# Altium PCB 2-quilter-output.PcbDoc (part 14 of 26)
Units mil, origin at the board's own origin, x right, y up, seen from the top; angles counter-clockwise.
Board outline 4130.55 x 4250 mil, 8 copper layers (L1, Ground L2, L3, Power L4, Ground L5, L6, Ground L7, L8), stack 62.985 mil thick; 591 components, 494 nets, 2245 pads, 1508 vias.
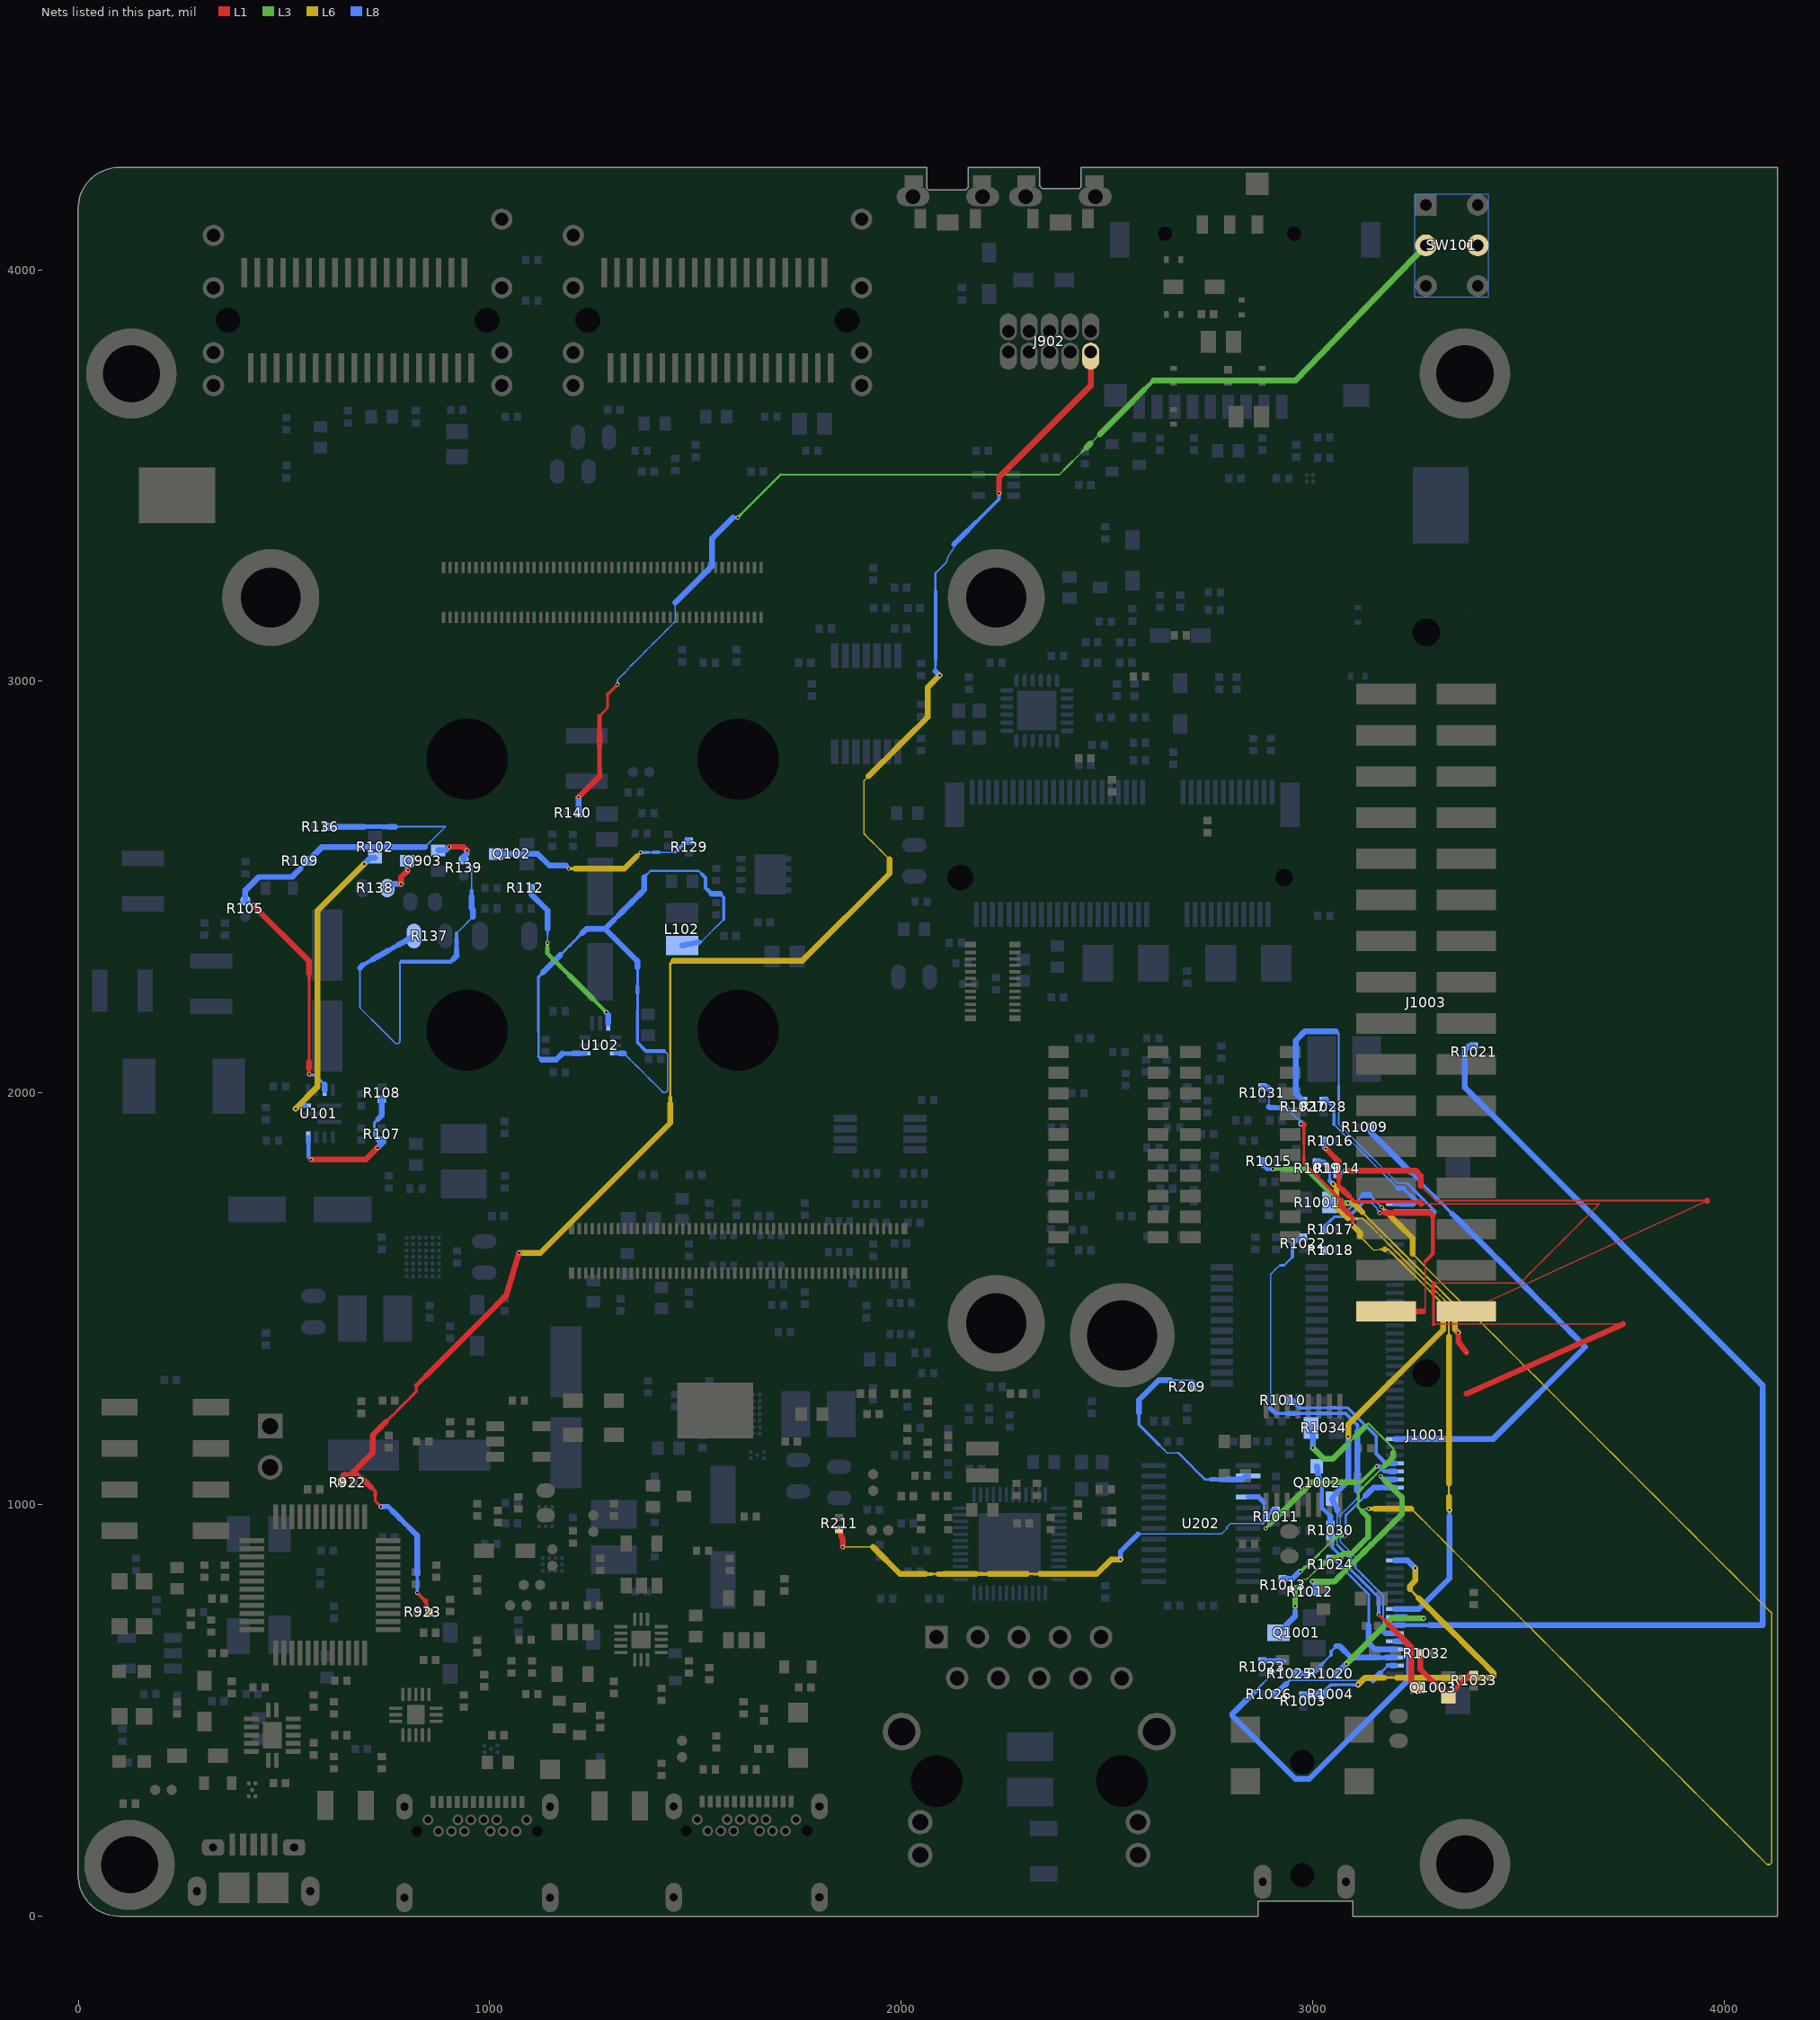
[diagram p20: the nets of this part, all layers, seen from the top]

## Via types
v1: diameter 9.85, hole 5.91, L1 to L8, tented both sides, 1508 vias

## Nets (pads, with @x,y where several pads share a name; then routed paths per layer and width w, separated by ;. In a path a pad name is that pad's centre, name@x,y a point inside that pad or via, vN(x,y) a via of type N, cw(c..) or ccw(c..) an arc to the next point about the centre after c; other vN are vias at no path point) (continued)
NetJ902_9: J902.9 R922.1 R923.1 | length 4193.8
  L1 w6.9: 721.8,1019.97 721.8,1008.28 728.8,1001.28 v1(735.8,994.29) ; 747.85,1200.36 758.41,1210.92 768.97,1221.48 779.53,1232.04 790.09,1242.6 800.65,1253.16 811.2,1263.71 821.76,1274.27 821.76,1288.88
  L1 w7.92: 680.73,1072.74 691,1062.47 ; 711.53,1041.93 721.8,1031.66 721.8,1019.97 ; v1(824.32,784.8) 824.32,784.41 834.51,774.22 843.95,764.78
  L1 w8.94: 843.95,764.77 848.4,749.91 R923.1@852.11,737.56
  L1 w9.96: 656.35,1072.74 664.97,1072.74 ; 664.97,1074.44 664.97,1072.74 ; 680.73,1072.74 664.97,1072.74
  L1 w10.99: 821.76,1288.88 832.69,1299.8 843.61,1310.73
  L1 w12.01: 647.72,1072.74 656.35,1072.74
  L1 w13.03: 737.29,1189.8 747.85,1200.36 ; 843.61,1310.73 854.54,1321.65
  L1 w14.05: R922.1@640.12,1052.99 640.12,1065.13 647.72,1072.74 ; 664.97,1074.44 716.17,1125.65 716.17,1168.68 726.73,1179.24 737.29,1189.8 ; 691,1062.47 701.27,1052.2 711.53,1041.93 ; 854.54,1321.65 865.46,1332.57 876.38,1343.5 887.31,1354.42 898.23,1365.35 909.16,1376.27 920.08,1387.19 931,1398.12 941.93,1409.04 952.85,1419.96 963.78,1430.89 974.7,1441.81 985.62,1452.74 996.55,1463.66 1007.47,1474.58 1018.39,1485.51 1029.32,1496.43 1040.24,1507.36 v1(1071.51,1610.9) ; v1(2238.02,3456.92) 2238.02,3469.35 2238.02,3495.51 2460.96,3718.46 J902.9@2460.96,3790.18
  L6 w3.5: 1909.88,2629.58 1909.88,2643.88 1909.88,2658.17 1909.88,2672.47 1909.88,2686.77 1909.88,2701.07 1909.88,2715.36 1909.88,2729.66 1909.88,2743.96 1909.88,2758.26
  L6 w3.83: 1909.88,2629.58 1920.17,2619.29 1930.47,2608.99 1940.76,2598.7 1951.05,2588.41 1961.35,2578.11 1971.64,2567.82 ; 1909.88,2758.26 1920.95,2769.33
  L6 w5.87: 1438.94,1988.52 1438.94,2003.99 1438.94,2019.47 1438.94,2034.95 1438.94,2050.42 1438.94,2065.9 1438.94,2081.38 1438.94,2096.86 1438.94,2112.33 1438.94,2127.81 1438.94,2143.29 1438.94,2158.76 1438.94,2174.24 1438.94,2189.72 1438.94,2205.2 1438.94,2220.67 1438.94,2236.15 1438.94,2251.63 1438.94,2267.1 1438.94,2282.58 1438.94,2298.06 1438.94,2313.53
  L6 w6.9: 1438.94,2313.53 1446.62,2321.22
  L6 w9.96: 1438.94,1973.04 1438.94,1988.52
  L6 w14.05: v1(1071.51,1610.9) 1123.24,1610.91 1438.94,1926.61 1438.94,1942.09 1438.94,1957.56 1438.94,1973.04 ; 1446.62,2321.22 1760.2,2321.22 1971.72,2532.74 1971.72,2567.74 1971.64,2567.82 ; 1920.95,2769.33 1932.02,2780.4 1943.1,2791.48 1954.17,2802.55 1965.24,2813.62 1976.31,2824.69 1987.39,2835.77 1998.46,2846.84 2009.53,2857.91 2020.6,2868.98 2031.68,2880.06 2042.75,2891.13 2053.82,2902.2 2064.89,2913.27 2064.89,2985.55 v1(2093.58,3014.23)
  L8 w3.5: 2109.97,3288.92 2113.15,3297.87 2116.33,3306.81
  L8 w3.83: 2083.68,3262.63 2092.44,3271.39 2101.21,3280.16 2109.97,3288.92 ; 2116.33,3306.81 2122.3,3315.33 2128.27,3323.85 2128.27,3332.82
  L8 w5.87: 2083.68,3024.13 2083.68,3039.04 ; 2083.68,3217.91 2083.68,3232.82 2083.68,3247.72 2083.68,3262.63
  L8 w6.9: 2083.68,3039.04 2083.68,3053.95
  L8 w7.92: v1(824.32,784.8) 824.32,800.17 824.32,815.54 824.32,830.91 ; 2183.15,3387.69 2194.12,3398.66 2205.1,3409.64 2216.07,3420.61 2227.05,3431.59 2238.02,3442.56 v1(2238.02,3456.92)
  L8 w8.94: 2083.68,3053.95 2083.68,3068.85 2083.68,3083.76 2083.68,3098.66 2083.68,3113.57 2083.68,3128.47 2083.68,3143.38 2083.68,3158.29 2083.68,3173.19 2083.68,3188.1 2083.68,3203 2083.68,3217.91
  L8 w9.96: 2172.17,3376.71 2183.15,3387.69
  L8 w10.99: 2161.2,3365.74 2172.17,3376.71
  L8 w12.01: 744.47,994.29 753.15,994.29 763.32,984.12 ; 783.65,963.79 793.82,953.62 803.99,943.45
  L8 w13.03: v1(735.8,994.29) 744.47,994.29 ; 803.99,943.45 814.15,933.29 ; 2128.27,3332.82 2139.25,3343.79 2150.22,3354.77 2161.2,3365.74
  L8 w14.05: 763.32,984.12 773.49,973.95 783.65,963.79 ; 814.15,933.29 824.32,923.12 824.32,907.75 824.32,892.38 824.32,877.01 824.32,861.64 824.32,846.28 824.32,830.91 ; 2083.68,3024.13 v1(2093.58,3014.23)
NetJ1001_2: J1001.2 R1028.1 | length 400.9
  L8 w3.5: 3052.12,1923.45 3063.24,1912.32 3074.37,1901.2 3085.49,1890.07 3096.62,1878.95 3107.74,1867.82 3118.87,1856.7 3129.99,1845.57 3141.12,1834.45 3152.24,1823.32 3163.37,1812.2 3174.49,1801.07 3185.62,1789.95 3196.74,1778.82 3207.87,1767.7
  L8 w7.92: R1028.1@3034.83,1980.85 3043.47,1972.2 3052.11,1963.56 3052.11,1950.19 3052.11,1936.83 3052.11,1923.46 ; 3221.36,1767.7 3230.62,1758.44 3239.88,1749.18
  L8 w12.01: J1001.2@3200.73,1729.81 J1001.2@3215.14,1729.8 ; 3207.87,1767.7 3221.36,1767.7 ; 3239.88,1749.18 3249.14,1739.92 3249.14,1734.96
  L8 w14.05: R1028.1@3027.04,1980.84 R1028.1@3034.83,1980.85 ; J1001.2@3215.14,1729.8 3229.56,1729.8 3243.97,1729.8 ; 3243.98,1729.8 3249.14,1734.96
NetJ1001_3: J1001.3 R1027.1 | length 906.6
  L8 w3.5: 3063.77,1923.96 3074.82,1912.91 3085.86,1901.87 3096.91,1890.83 3107.95,1879.78 3118.99,1868.74 3130.04,1857.7 3141.08,1846.65 3152.12,1835.61 3163.17,1824.57 3174.21,1813.52 3185.26,1802.48 3196.3,1791.43 3207.34,1780.39 3218.72,1780.39 3230.1,1780.39
  L8 w3.83: 3063.77,1923.96 3063.77,1939.56 3063.77,1955.17 3063.77,1970.77
  L8 w4.85: 3063.77,2017.59 3063.77,2033.2 3063.77,2048.8 3063.77,2064.41 3063.77,2080.01 3063.77,2095.62 3063.77,2111.22 3063.77,2126.83 3063.77,2142.43
  L8 w6.9: 3056.49,2149.72 3063.77,2142.43 ; 3063.77,1970.77 3063.77,1986.38 3063.77,2001.99 3063.77,2017.59 ; 3230.1,1780.39 3239.68,1770.81 3249.26,1761.24 3258.83,1751.66 3268.41,1742.08 3277.99,1732.5 3287.57,1722.93 3295.34,1715.15 3295.34,1710.13
  L8 w14.05: R1027.1@2977.28,1980.85 2959.38,1998.76 2959.38,2127.03 2982.08,2149.73 3056.49,2149.73 ; J1001.3@3200.73,1710.13 3295.34,1710.12
NetJ1001_31: J1001.31 R1009.1 | length 1305
  L8 w7.92: 3239.8,1805.9 3250.74,1794.96 3261.89,1783.81 3273.04,1772.66 3284.19,1761.52 3295.33,1750.37 3306.48,1739.22 3317.63,1728.07 3328.78,1716.93 3339.92,1705.78
  L8 w13.03: 3228.86,1816.84 3239.8,1805.9
  L8 w14.05: R1009.1@3141.33,1916.27 3141.32,1904.39 3152.26,1893.44 3163.21,1882.5 3174.15,1871.55 3185.09,1860.61 3196.03,1849.67 3206.98,1838.73 3217.92,1827.79 3228.86,1816.84 ; J1001.31@3200.73,1158.94 3222.72,1158.94 3439.66,1158.94 3663.21,1382.49 3652.06,1393.65 3640.91,1404.79 3629.76,1415.94 3618.61,1427.09 3607.47,1438.24 3596.32,1449.38 3585.17,1460.53 3574.02,1471.68 3562.88,1482.83 3551.73,1493.97 3540.58,1505.12 3529.43,1516.27 3518.29,1527.42 3507.14,1538.56 3495.99,1549.71 3484.84,1560.86 3473.7,1572.01 3462.55,1583.16 3451.4,1594.3 3440.25,1605.45 3429.1,1616.6 3417.96,1627.75 3406.81,1638.89 3395.66,1650.04 3384.51,1661.19 3373.37,1672.34 3362.22,1683.48 3351.07,1694.63 3339.92,1705.78
NetJ1001_34: J1001.34 R1010.1 | length 346.5
  L8 w6.9: 2983.99,1234.13 2998.63,1234.13 3013.28,1234.13 3027.92,1234.13 3042.57,1234.13 ; 3071.86,1234.13 3086.5,1234.13
  L8 w7.92: 2969.34,1234.13 2983.99,1234.13 ; 3057.21,1234.13 3071.86,1234.13 ; 3086.5,1234.13 3096.3,1224.33 3106.1,1214.53 3115.9,1204.72 3125.7,1194.92 3135.51,1185.12 3145.31,1175.32 3155.11,1165.52 3155.11,1151.35 3155.11,1137.18 3155.11,1123.02
  L8 w8.94: 2960.3,1243.17 2969.34,1234.13 ; 3042.57,1234.13 3057.21,1234.13
  L8 w9.96: 3155.11,1123.02 3162.82,1115.31 3170.52,1107.6 3178.23,1099.89
  L8 w10.99: 3178.24,1099.88 J1001.34@3189.48,1099.88
  L8 w14.05: R1010.1@2942.27,1252.21 2951.26,1252.2 2960.3,1243.17 ; J1001.34@3189.48,1099.88 J1001.34@3200.73,1099.89
NetJ1001_35: J1001.35 R1011.1 | length 440.2
  L3 w5.87: v1(2886.1,941.14) 2896.37,951.41
  L3 w8.94: 3028.86,1054.11 3043.76,1054.11 ; 3103.34,1054.11 3118.24,1054.11 3127.76,1063.64 3137.29,1073.17 3146.81,1082.69 v1(3156.34,1092.22)
  L3 w9.96: 3043.76,1054.11 3058.65,1054.11
  L3 w12.01: 2896.37,951.41 2906.64,961.68
  L3 w14.05: 2906.64,961.68 2916.91,971.95 2927.18,982.22 2937.45,992.49 2947.72,1002.76 2957.99,1013.03 2968.26,1023.3 2978.53,1033.57 2988.8,1043.84 2999.07,1054.11 3013.96,1054.11 3028.86,1054.11 ; 3058.65,1054.11 3073.55,1054.11 3088.44,1054.11 3103.34,1054.11
  L8 w5.87: v1(2886.1,941.14) 2893.54,948.59 2893.54,961.54 2893.54,974.48
  L8 w6.9: 2893.54,974.48 R1011.1@2903.8,984.74
  L8 w9.96: 3162.94,1092.22 3168.95,1086.21 3174.96,1080.2 J1001.35@3187.84,1080.2
  L8 w10.99: v1(3156.34,1092.22) 3162.94,1092.22
  L8 w14.05: R1011.1@2903.8,984.74 R1011.1@2910.92,984.74 ; J1001.35@3187.84,1080.2 J1001.35@3200.73,1080.21
NetJ1001_36: J1001.36 R1012.1 | length 464.5
  L3 w7.92: v1(3166.09,1067.79) 3176.44,1057.44
  L3 w13.03: v1(3000.08,812.49) 3013.51,812.49 ; 3094.44,853.14 3104.6,863.3 3114.76,873.46 ; 3145.69,904.39 3156,914.7
  L3 w14.05: 3013.51,812.49 3026.94,812.49 3040.37,812.49 3053.8,812.49 3063.96,822.66 3074.12,832.82 3084.28,842.98 3094.44,853.14 ; 3114.76,873.46 3125.07,883.77 3135.38,894.08 3145.69,904.39 ; 3156,914.7 3166.31,925.01 3176.62,935.32 3186.93,945.63 3197.24,955.94 3207.55,966.25 3217.86,976.56 3217.86,1016.01 3217.82,1016.06 3207.48,1026.4 3197.13,1036.75 3186.78,1047.1 3176.44,1057.44
  L8 w9.96: v1(3166.09,1067.79) 3173.37,1060.51
  L8 w14.05: v1(3000.08,812.49) 3007.5,805.07 3007.5,790.54 R1012.1@3008.62,787.36 ; 3173.37,1060.51 J1001.36@3200.73,1060.52
NetJ1001_37: J1001.37 R1013.1 | length 392.9
  L3 w3.83: 3016.29,879.71 3027.2,890.63 3038.12,901.54 3049.03,912.45
  L3 w5.87: 2981.95,846.97 2983.54,846.97 2994.46,857.88 3005.38,868.8 3016.29,879.71
  L3 w7.92: v1(2971.03,836.05) 2981.95,846.97
  L3 w8.94: 3049.03,912.45 3059.94,923.37 3069.26,923.37 v1(3078.58,923.37)
  L8 w4.85: 3109.82,1001.97 3119.53,1011.68
  L8 w5.87: 3080.67,937.3 3080.67,949.14 3080.67,960.98 3080.67,972.82 3090.39,982.54 3100.1,992.25 3109.82,1001.97
  L8 w6.9: 3119.53,1011.68 3129.25,1021.4
  L8 w7.92: v1(3078.58,923.37) v1@3080.67,925.46
  L8 w9.96: v1@2968.33,836.05 v1(2971.03,836.05) ; v1@3080.67,925.46 3080.67,937.3
  L8 w13.03: 3161.69,1040.83 3174.7,1040.83
  L8 w14.05: R1013.1@2927.51,818.73 2951,818.72 v1@2968.33,836.05 ; 3129.25,1021.4 3138.96,1031.11 3148.68,1040.83 3161.69,1040.83 ; 3174.7,1040.83 3187.72,1040.83 J1001.37@3200.73,1040.84
NetJ1001_46: J1001.46 R1003.1 R1004.1 | length 895
  L6 w5.87: 3174.44,578.95 3189.82,578.95 3205.2,578.95 ; 3236.61,793.67 3247.34,782.93
  L6 w6.9: 3247.34,782.93 3258.08,772.2
  L6 w14.05: v1(3110.8,561.45) 3128.29,578.95 3143.68,578.95 3159.06,578.95 3174.44,578.95 ; 3205.2,578.95 3220.58,578.95 3235.96,578.95 3251.34,578.95 3266.73,578.95 3282.11,578.95 3297.49,578.95 3312.87,578.95 3328.25,578.95 3343.63,578.95 3359.01,578.95 3374.4,578.95 3389.78,578.95 3405.16,578.95 3420.54,578.95 3435.92,578.95 ; 3236.61,793.67 3236.61,801.46 3250.33,815.18 v1(3250.33,844.43) ; 3258.08,772.2 3268.81,761.46 3279.55,750.73 3290.28,739.99 3301.02,729.26 3311.75,718.52 3322.49,707.79 3333.22,697.05 3343.96,686.32 3354.69,675.58 3365.43,664.85 3376.16,654.11 3386.9,643.38 3397.63,632.64 3408.37,621.9 3419.1,611.17 3429.84,600.43 3440.57,589.7 3440.58,583.6 3435.93,578.95
  L8 w6.9: 3057.33,561.29 3070.66,561.29 3083.99,561.29 3097.32,561.29
  L8 w7.92: R1004.1@3028.87,538.34 3032.88,550.18 3044,561.29 3057.33,561.29 ; 3097.32,561.29 3110.64,561.29 v1(3110.8,561.45)
  L8 w14.05: R1003.1@2977.28,536.5 2997.7,536.5 2999.55,538.35 3019.88,538.35 R1004.1@3028.87,538.34 ; J1001.46@3200.73,863.67 3231.09,863.66 3240.71,854.04 v1(3250.33,844.43)
NetJ1001_52: J1001.52 R1019.1 | length 1338.7
  L6 w3.83: 3110.54,1694.72 3122.55,1694.72 3133.55,1683.72 3144.56,1672.71 3155.57,1661.7 3166.57,1650.7 3177.58,1639.69 3188.59,1628.68 3199.59,1617.68 3210.6,1606.67 3221.61,1595.67 3232.61,1584.66 3243.62,1573.65 3254.63,1562.65 3265.63,1551.64 3276.64,1540.63 3287.65,1529.63 3298.65,1518.62 3309.66,1507.61 3320.66,1496.61 3331.67,1485.6 3331.67,1470.04 3331.67,1454.48 3331.67,1438.92 3331.67,1423.36 3331.67,1407.8 ; 3331.67,1018.81 3331.67,1034.37 3331.67,1049.93
  L6 w6.9: 3086.52,1694.72 3098.53,1694.72 3110.54,1694.72
  L6 w13.03: v1(3049.9,1778.6) 3058.28,1770.23
  L6 w14.05: 3058.28,1770.22 3058.28,1722.96 3086.52,1694.72 ; 3331.67,1018.81 3331.67,1003.25 3331.67,987.69 v1(3333.1,986.25) ; 3331.67,1049.93 3331.67,1065.49 3331.67,1081.05 3331.67,1096.61 3331.67,1112.17 3331.67,1127.72 3331.67,1143.28 3331.67,1158.84 3331.67,1174.4 3331.67,1189.96 3331.67,1205.52 3331.67,1221.08 3331.67,1236.64 3331.67,1252.2 3331.67,1267.76 3331.67,1283.32 3331.67,1298.88 3331.67,1314.44 3331.67,1330 3331.67,1345.56 3331.67,1361.12 3331.67,1376.68 3331.67,1392.24 3331.67,1407.8
  L8 w5.87: 3041.82,1816.15 3041.88,1801.36 3041.93,1786.57
  L8 w8.94: 3333.1,970.78 v1(3333.1,986.25)
  L8 w10.99: 3034.19,1823.78 3041.82,1816.15 ; 3041.93,1786.57 v1(3049.9,1778.6)
  L8 w14.05: R1019.1@3010.43,1831.42 3026.55,1831.42 3034.19,1823.78 ; J1001.52@3200.73,745.56 3258.55,745.55 3333.1,820.11 3333.1,970.78
NetJ1001_53: J1001.53 R1020.1 | length 338.1
  L3 w14.05: v1(3082.36,612.05) 3192.74,722.43 v1(3270.08,722.43)
  L8 w10.99: 3226.55,725.87 3229.99,722.43 3242.72,722.43 3255.44,722.43 v1(3270.08,722.43)
  L8 w14.05: R1020.1@3058.39,588.15 3058.47,588.15 v1(3082.36,612.05) ; J1001.53@3200.73,725.88 3226.55,725.87
NetJ1001_54: J1001.54 R1021.1 | length 2617.6
  L8 w9.96: J1001.54@3222.72,706.18 3238.29,706.18 3253.86,706.18 3269.44,706.18 3285.01,706.18
  L8 w14.05: J1001.54@3200.73,706.19 J1001.54@3222.72,706.18 ; 3285.01,706.18 3300.58,706.18 3316.16,706.18 3331.73,706.18 3347.31,706.18 3362.88,706.18 3378.45,706.18 3394.03,706.18 3409.6,706.18 3425.17,706.18 3440.75,706.18 3456.32,706.18 3471.89,706.18 3487.47,706.18 3503.04,706.18 3518.62,706.18 3534.19,706.18 3549.76,706.18 3565.34,706.18 3580.91,706.18 3596.48,706.18 3612.06,706.18 3627.63,706.18 3643.2,706.18 3658.78,706.18 3674.35,706.18 3689.93,706.18 3705.5,706.18 3721.07,706.18 3736.65,706.18 3752.22,706.18 3767.79,706.18 3783.37,706.18 3798.94,706.18 3814.51,706.18 3830.09,706.18 3845.66,706.18 3861.24,706.18 3876.81,706.18 3892.38,706.18 3907.96,706.18 3923.53,706.18 3939.1,706.18 3954.68,706.18 3970.25,706.18 3985.82,706.18 4001.4,706.18 4016.97,706.18 4032.55,706.18 4048.12,706.18 4063.69,706.18 4079.27,706.18 4094.84,706.18 4094.85,1288.19 3370.56,2012.48 3370.56,2104.35 3379.85,2113.64 R1021.1@3391.99,2113.65
NetJ1001_55: J1001.55 R1022.1 | length 1278.1
  L8 w3.5: 2897.92,1233.23 2897.92,1248.72 2897.92,1264.21 2897.92,1279.7 2897.92,1295.19 2897.92,1310.68 2897.92,1326.16 2897.92,1341.65 2897.92,1357.14 2897.92,1372.63 2897.92,1388.12 2897.92,1403.61 2897.92,1419.1 2897.92,1434.59 2897.92,1450.08 2897.92,1465.56 2897.92,1481.05 2897.92,1496.54 2897.92,1512.03 2897.92,1527.52 2897.92,1543.01 2897.92,1558.5 ; 2908.47,1569.05 2908.47,1569.91 2912.22,1573.66 2921.41,1580.73 ; 3104.8,871.92 3095.56,881.17 3086.31,890.41 3077.07,899.66 3067.82,908.9 3067.82,921.84 3067.82,934.77 3067.82,947.71 3067.82,960.64 3067.82,973.58 3078.23,983.98 3088.63,994.38 3099.03,1004.78 3109.43,1015.19 3109.43,1023.79 3109.43,1032.4
  L8 w3.83: 2897.92,1558.5 2904.95,1565.53 2908.47,1569.05 ; 3172.17,691.8 3172.17,701.74 3172.17,716.97 3172.17,732.21 3172.17,747.44 3172.17,762.68 3172.17,777.91
  L8 w4.85: 2931,1580.73 2941.33,1591.06 2951.66,1601.39 ; 3104.8,871.92 3104.8,858.6 3104.8,845.28 3114.42,835.66 3124.05,826.03 3133.67,816.41 3143.3,806.78 3152.92,797.16 3162.55,787.54 3172.17,777.91
  L8 w5.87: 2921.41,1580.73 2931,1580.73 ; 2962.49,1642.14 R1022.1@2969.89,1645.47
  L8 w6.9: 2956.61,1220.92 2972.07,1220.92 2987.54,1220.92 ; 3033.92,1220.92 3049.39,1220.92 3064.85,1220.92
  L8 w7.92: 2910.22,1220.92 2925.69,1220.92 2941.15,1220.92 ; 2987.54,1220.92 3003,1220.92 3018.46,1220.92 ; 3064.85,1220.92 3080.31,1220.92
  L8 w8.94: 2951.66,1601.39 2951.66,1616.35 2951.66,1631.31 2962.49,1642.14 ; R1022.1@2969.89,1645.47 R1022.1@2977.28,1648.8 ; 3018.46,1220.92 3033.92,1220.92 ; 3080.31,1220.92 3090.02,1211.22 3099.73,1201.51 3109.43,1191.8 3109.43,1177.31
  L8 w10.99: 2904.07,1227.08 2910.22,1220.92
  L8 w12.01: 2897.92,1233.23 2904.07,1227.08 ; 2941.15,1220.92 2956.61,1220.92
  L8 w14.05: 3109.43,1032.41 3109.43,1046.9 3109.43,1061.39 3109.43,1075.88 3109.43,1090.37 3109.43,1104.86 3109.43,1119.35 3109.43,1133.84 3109.43,1148.33 3109.43,1162.82 3109.43,1177.31 ; 3172.17,691.8 3177.48,686.5 J1001.55@3200.73,686.51
NetJ1001_56: J1001.56 R1023.1 | length 955.3
  L8 w3.5: 2859.14,544.46 2869.86,555.17 ; 2880.58,565.89 2891.3,576.61 2902.01,587.33 ; 2912.73,598.04 2923.45,608.76 2933.93,619.24
  L8 w4.85: 2869.86,555.17 2880.58,565.89
  L8 w5.87: 2902.01,587.33 2912.73,598.04
  L8 w8.94: 2920.04,619.51 2933.67,619.51 2933.93,619.25
  L8 w13.03: 2848.43,533.74 2859.14,544.46
  L8 w14.05: 2848.43,533.74 2837.71,523.02 2826.99,512.3 2816.27,501.59 2805.56,490.87 2805.55,485.38 2958.25,332.68 2992.38,332.68 3234.17,574.47 3234.17,656.87 3224.22,666.81 J1001.56@3200.73,666.82 ; R1023.1@2877.76,619.51 2891.85,619.51 2905.95,619.51 2920.04,619.51
NetJ1001_57: J1001.57 R1024.1 | length 317.9
  L8 w4.85: R1024.1@3051.69,866.1 3062.33,855.46 ; 3072.97,844.83 3083.61,834.19 3094.25,823.55
  L8 w5.87: 3094.25,823.55 3104.89,812.91 3115.53,802.27 3126.17,791.63 3136.8,780.99 3136.8,766.12 3136.8,751.25 3136.8,736.37 3136.8,721.5 3136.8,706.63
  L8 w6.9: 3062.33,855.46 3072.97,844.83
  L8 w10.99: R1024.1@3043.63,868.53 R1024.1@3051.69,866.1
  L8 w14.05: 3136.8,706.63 3136.8,691.75 3136.8,676.88 3136.8,662 3151.68,647.13 J1001.57@3200.73,647.14
NetJ1001_58: J1001.58 R1025.1 | length 286.5
  L8 w4.85: 3008.63,597.29 3017.76,606.42 ; 3026.9,615.56 3036.03,624.7 3045.17,633.83 ; 3045.17,642.52 3051.69,649.03 3058.2,655.55
  L8 w7.92: 3017.76,606.42 3026.9,615.56 ; 3045.17,633.83 3045.17,642.52
  L8 w10.99: 3164.63,627.44 J1001.58@3178.74,627.44
  L8 w12.01: 3150.51,627.44 3164.63,627.44
  L8 w13.03: 2999.49,588.15 3008.63,597.29
  L8 w14.05: R1025.1@2958.86,588.15 2967.87,588.15 2999.49,588.15 ; 3058.2,655.55 3065.95,655.55 3094.06,627.44 3108.17,627.44 3122.29,627.44 3136.4,627.44 3150.51,627.44 ; J1001.58@3178.74,627.44 J1001.58@3200.73,627.45
NetJ1001_59: J1001.59 R1026.1 | length 320.4
  L8 w3.5: 2944.69,572.2 2960.29,572.2 2975.89,572.2 2991.48,572.2 3007.08,572.2 3022.68,572.2 3038.28,572.2 3053.87,572.2 3069.47,572.2 3085.07,572.2 3100.67,572.2 3116.26,572.2 3131.86,572.2 3147.46,572.2
  L8 w5.87: 3165.23,589.98 3174.12,598.86 J1001.59@3183.01,607.75
  L8 w6.9: 2936.23,563.74 2944.69,572.2
  L8 w9.96: J1001.59@3183.01,607.76 J1001.59@3191.87,607.76
  L8 w14.05: R1026.1@2909.09,538.34 2910.83,538.35 2919.29,546.81 2927.76,555.28 2936.23,563.74 ; 3147.46,572.2 3156.35,581.09 3165.23,589.98 ; J1001.59@3191.87,607.76 J1001.59@3200.73,607.77
NetJ1003_35: J1003.35 R1017.2 | length 642.2
  L1 w3.5: 3274.21,1473.88 3274.21,1488.45 3274.21,1503.02 3274.21,1517.59 3274.21,1532.16 3274.21,1546.73 3274.21,1561.29 3274.21,1575.86 3274.21,1590.43
  L1 w3.83: 3269.13,1468.78 3274.21,1473.87
  L1 w8.94: v1(3163.14,1707.85) 3177.66,1707.85 ; 3274.21,1590.43 3283.44,1599.67 3292.68,1608.9 3292.68,1624.25 ; 3292.68,1639.6 3292.68,1654.95 3292.68,1670.29 3292.68,1685.64 3292.68,1700.99
  L1 w9.96: 3292.68,1624.25 3292.68,1639.6
  L1 w14.05: 3177.66,1707.85 3285.82,1707.85 3292.68,1700.99 ; J1003.35@3179.19,1468.79 3269.13,1468.78
  L8 w3.83: 3121.91,1732.34 3133,1732.34 3144.09,1732.34 3150.73,1725.7 3157.37,1719.06 3157.37,1715.81 v1@3163.14,1710.04
  L8 w5.87: 3053.37,1698.84 3065.05,1698.84 3076.73,1698.84 3088.41,1698.84
  L8 w6.9: 3031.92,1677.39 3042.64,1688.11 3053.37,1698.84 ; v1(3163.14,1707.85) v1@3163.14,1710.04
  L8 w8.94: 3088.68,1699.1 3096.79,1707.22 3105.16,1715.59 3113.54,1723.96 3121.91,1732.34
  L8 w9.96: R1017.2@3028.87,1667.25 3031.92,1677.39
  L8 w14.05: 3088.41,1698.84 3088.67,1699.1
NetJ1003_36: J1003.36 R1014.1 | length 1590.9
  L1 w3.5: 3263.15,1773.97 3272.47,1764.65 3281.79,1755.32 3290.48,1746.64 3299.16,1737.95 3299.52,1737.95 3315.23,1737.95 3330.94,1737.95 3346.66,1737.95 3362.37,1737.95 3378.08,1737.95 3393.8,1737.95 3409.51,1737.95 3425.22,1737.95 3440.93,1737.95 3456.65,1737.95 3472.36,1737.95 3488.07,1737.95 3503.78,1737.95 3519.5,1737.95 3535.21,1737.95 3550.92,1737.95 3566.64,1737.95 3582.35,1737.95 3598.06,1737.95 3613.77,1737.95 3629.49,1737.95 3645.2,1737.95 3660.91,1737.95 3676.62,1737.95 3692.34,1737.95 3708.05,1737.95 3723.76,1737.95 3739.47,1737.95 3755.19,1737.95 3770.9,1737.95 3786.61,1737.95 3802.33,1737.95 3818.04,1737.95 3833.75,1737.95 3849.46,1737.95 3865.18,1737.95 3880.89,1737.95 3896.6,1737.95 3912.31,1737.95 3928.03,1737.95 3943.74,1737.95 3959.43,1737.95 ; J1003.36@3374.07,1468.79 3388.35,1475.34 3402.63,1481.91 3416.91,1488.47 3431.18,1495.04 3445.46,1501.6 3459.74,1508.17 3474.02,1514.73 3488.29,1521.29 3502.57,1527.86 3516.85,1534.42 3531.13,1540.99 3545.4,1547.55 3559.68,1554.12 3573.96,1560.68 3588.24,1567.24 3602.51,1573.81 3616.79,1580.37 3631.07,1586.94 3645.35,1593.5 3659.62,1600.07 3673.9,1606.63 3688.18,1613.19 3702.45,1619.76 3716.73,1626.32 3731.01,1632.89 3745.29,1639.45 3759.56,1646.02 3773.84,1652.58 3788.12,1659.14 3802.4,1665.71 3816.67,1672.27 3830.95,1678.84 3845.23,1685.4 3859.51,1691.97 3873.78,1698.53 3888.06,1705.1 3902.34,1711.66 3916.62,1718.22 3930.89,1724.79 3945.17,1731.35 3959.45,1737.92